# Altium PCB DI544.PcbDoc (part 2 of 7) (continued)
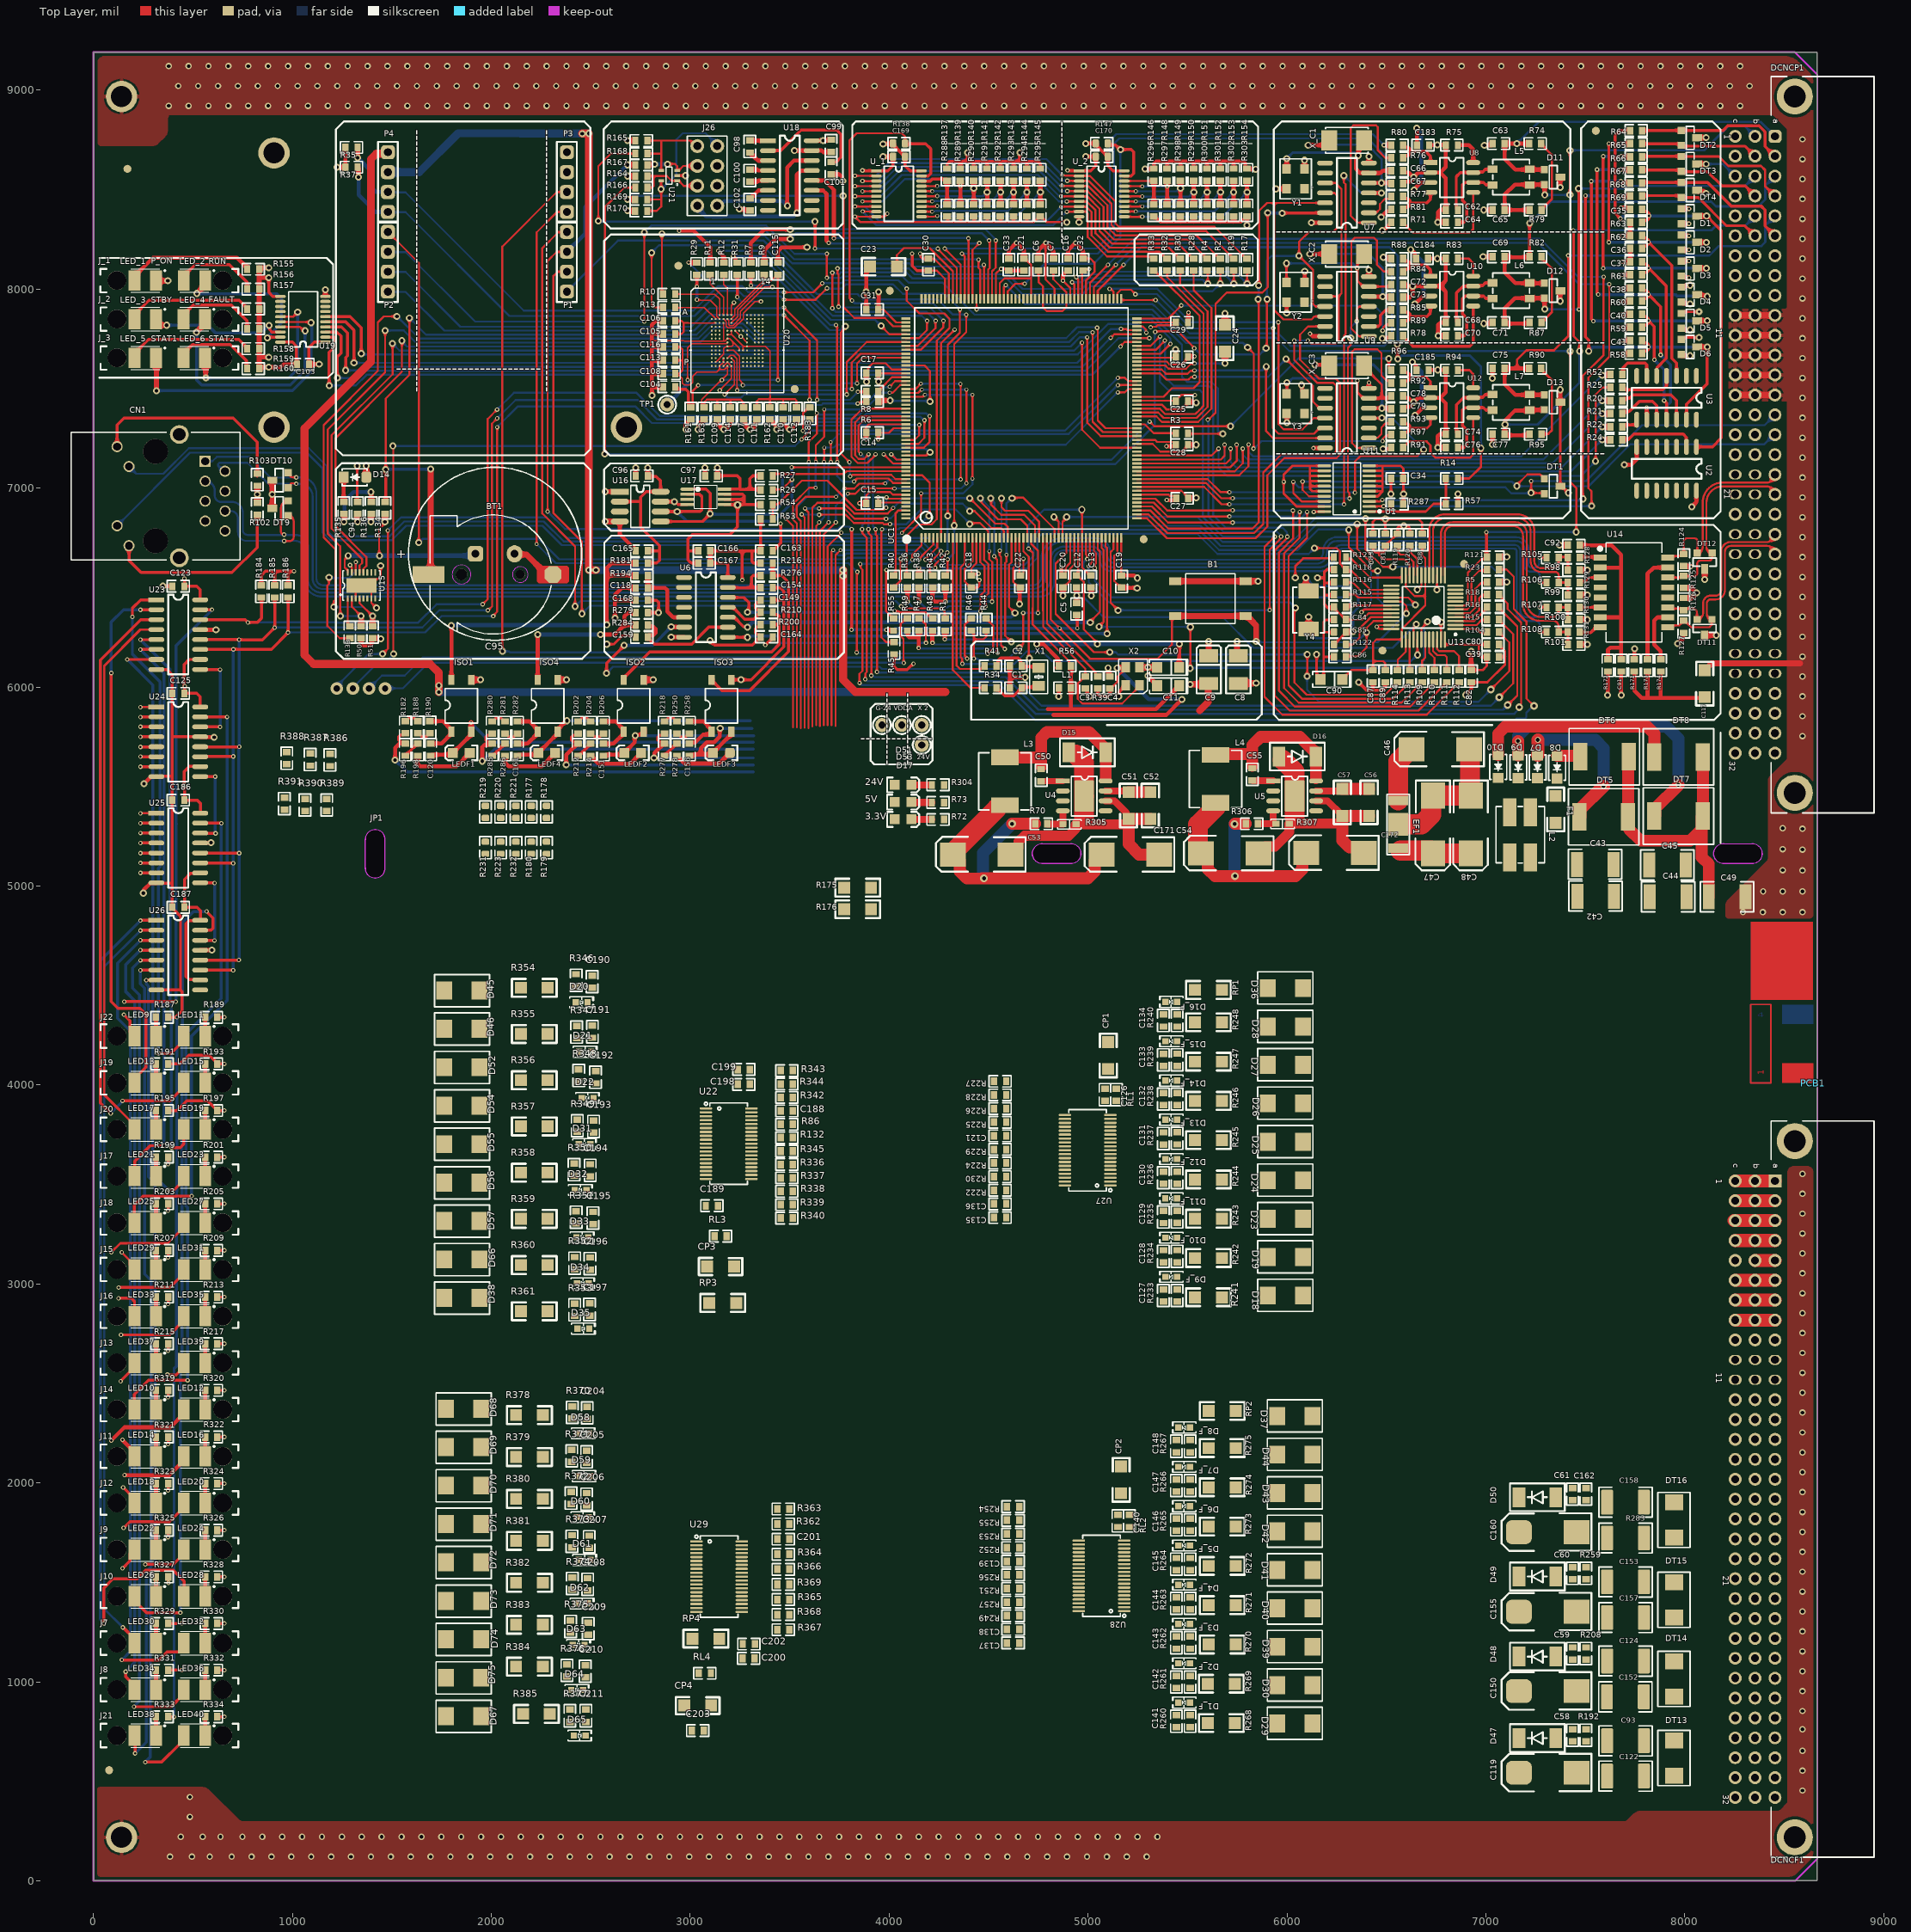
[diagram p0: Top Layer view]
## Footprints (in the part's own frame and the unit in brackets; to place one, negate y for a bottom-side part, rotate by r counter-clockwise, add the part's x,y. Pads: shape width x height; smd on the part's side, far side on the other; paste and mask are expansions set on the pad) (continued)
  rect 0.3x1.2 smd: 53(-12.689,-14.14) 54(-12.189,-14.14) 55(-11.689,-14.14) 56(-11.189,-14.14) 57(-10.689,-14.14) 58(-10.189,-14.14) 59(-9.689,-14.14) 60(-9.189,-14.14) 61(-8.689,-14.14) 62(-8.189,-14.14) 63(-7.689,-14.14) 64(-7.189,-14.14) 65(-6.689,-14.14) 66(-6.189,-14.14) 67(-5.689,-14.14) 68(-5.189,-14.14) 69(-4.689,-14.14) 70(-4.189,-14.14) 71(-3.689,-14.14) 72(-3.189,-14.14) 73(-2.689,-14.14) 74(-2.189,-14.14) 75(-1.689,-14.14) 76(-1.189,-14.14) 77(-0.689,-14.14) 78(-0.189,-14.14) 79(0.311,-14.14) 80(0.811,-14.14) 81(1.311,-14.14) 82(1.811,-14.14) 83(2.311,-14.14) 84(2.811,-14.14) 85(3.311,-14.14) 86(3.811,-14.14) 87(4.311,-14.14) 88(4.811,-14.14) 89(5.311,-14.14) 90(5.811,-14.14) 91(6.311,-14.14) 92(6.811,-14.14) 93(7.311,-14.14) 94(7.811,-14.14) 95(8.311,-14.14) 96(8.811,-14.14) 97(9.311,-14.14) 98(9.811,-14.14) 99(10.311,-14.14) 100(10.811,-14.14) 101(11.311,-14.14) 102(11.811,-14.14) 103(12.311,-14.14) 104(12.811,-14.14) 157(12.811,15.36) 158(12.311,15.36) 159(11.811,15.36) 160(11.311,15.36) 161(10.811,15.36) 162(10.311,15.36) 163(9.811,15.36) 164(9.311,15.36) 165(8.811,15.36) 166(8.311,15.36) 167(7.811,15.36) 168(7.311,15.36) 169(6.811,15.36) 170(6.311,15.36) 171(5.811,15.36) 172(5.311,15.36) 173(4.811,15.36) 174(4.311,15.36) 175(3.811,15.36) 176(3.311,15.36) 177(2.811,15.36) 178(2.311,15.36) 179(1.811,15.36) 180(1.311,15.36) 181(0.811,15.36) 182(0.311,15.36) 183(-0.189,15.36) 184(-0.689,15.36) 185(-1.189,15.36) 186(-1.689,15.36) 187(-2.189,15.36) 188(-2.689,15.36) 189(-3.189,15.36) 190(-3.689,15.36) 191(-4.189,15.36) 192(-4.689,15.36) 193(-5.189,15.36) 194(-5.689,15.36) 195(-6.189,15.36) 196(-6.689,15.36) 197(-7.189,15.36) 198(-7.689,15.36) 199(-8.189,15.36) 200(-8.689,15.36) 201(-9.189,15.36) 202(-9.689,15.36) 203(-10.189,15.36) 204(-10.689,15.36) 205(-11.189,15.36) 206(-11.689,15.36) 207(-12.189,15.36) 208(-12.689,15.36)
  silkscreen extent -15.67,-13 14.18,15.56, body extent -14.71,-14.12 14.79,15.38, height 1.4
LQFP-48_M [mm] "Thin QFP, 48-Leads, Body 7x7mm, Pitch 0.5mm, IPC Low Density"
  oval 2.1x0.3 smd: 1(0,0) 2(0,-0.5) 3(0,-1) 4(0,-1.5) 5(0,-2) 6(0,-2.5) 7(0,-3) 8(0,-3.5) 9(0,-4) 10(0,-4.5) 11(0,-5) 12(0,-5.5) 25(8.2,-5.5) 26(8.2,-5) 27(8.2,-4.5) 28(8.2,-4) 29(8.2,-3.5) 30(8.2,-3) 31(8.2,-2.5) 32(8.2,-2) 33(8.2,-1.5) 34(8.2,-1) 35(8.2,-0.5) 36(8.2,0)
  oval 0.3x2.1 smd: 13(1.35,-6.85) 14(1.85,-6.85) 15(2.35,-6.85) 16(2.85,-6.85) 17(3.35,-6.85) 18(3.85,-6.85) 19(4.35,-6.85) 20(4.85,-6.85) 21(5.35,-6.85) 22(5.85,-6.85) 23(6.35,-6.85) 24(6.85,-6.85) 37(6.85,1.35) 38(6.35,1.35) 39(5.85,1.35) 40(5.35,1.35) 41(4.85,1.35) 42(4.35,1.35) 43(3.85,1.35) 44(3.35,1.35) 45(2.85,1.35) 46(2.35,1.35) 47(1.85,1.35) 48(1.35,1.35)
  silkscreen extent -0.13,-5.4 6.75,0.82, body extent -0.41,-7.24 8.59,1.76, height 1.57
MSOP8 [mm]
  oval 1.7x0.4 smd: 1(0,0)
  rect 1.7x0.4 smd: 2(0,-0.65) 3(0,-1.3) 4(0,-1.95) 5(4.78,-1.95) 6(4.78,-1.3) 7(4.78,-0.65) 8(4.78,0)
  silkscreen extent 0.92,-2.44 3.84,0.51, body extent 0.04,-2.49 4.94,0.51, height 1.15
NFE61P [mm]
  rect 1.219x2.54 smd: 1(0,0) 3(6.1,0)
  rect 2.9x2.54 smd: 2(3.05,0)
  silkscreen extent -0.8,-1.41 6.9,1.44, body extent -0.35,-0.74 6.45,0.86, height 1.6
OSC-5X3.2 [mm]
  rect 1.2x1.1 smd mask+0.051: 1(0,0) 2(2.54,0) 3(2.54,2.3) 4(0,2.3)
  silkscreen extent -1.28,-0.85 3.82,3.15
"PCB Plastic guard" [mil]
  Keep-Out Layer lines w5: -7292.68,-17.84 -7292.68,129.8 ; -7292.68,-12.84 ccw(c-7243.56,-15.9) -7194.44,-12.84 ; -7292.68,127.16 cw(c-7243.56,130.21) -7194.44,127.16 ; -7194.25,-17.84 -7194.25,129.8 ; -3892.48,8.73 -3744.84,8.73 ; -3892.48,107.16 -3744.84,107.16 ; -3891.91,8.85 cw(c-3890.54,58.04) -3887.48,107.16 ; -3747.48,8.92 ccw(c-3744.43,58.04) -3747.48,107.16 ; -467.28,8.73 -319.65,8.73 ; -467.28,107.16 -319.65,107.16 ; -462.28,8.92 cw(c-465.34,58.04) -462.28,107.16 ; -322.28,8.92 ccw(c-319.23,58.04) -322.28,107.16
PushBotton [mil] "PushBotton"
  rect 60x40 smd: 1(0.83,-176.5) 2(0.83,-1.5) 3(355.17,-1.5) 4(355.17,-176.5)
  silkscreen extent 53,-214 303,36, body extent -20,-205 374,31, height 200
"RES 0603"#1 [mil]
  rect 32x39 smd: 1(-30,-2) 2(31,-2)
  silkscreen extent -55,-31 56,27, body extent -31,-20 33,14, height 18
"RES 0603"#2 [mil]
  rect 32x39 smd: 1(-30,-2)
  rrect20% 32x39 smd: 2(31,-2)
  silkscreen extent -55,-31 56,27, body extent -31,-20 33,14, height 18
"RES 0603"#3 [mil]
  rect 32x37.4 smd: 1(-30,-2)
  rect 32x39 smd: 2(31,-2)
  silkscreen extent -55,-31 56,27, body extent -31,-20 33,14, height 18
"RES 0603"#4 [mil]
  rrect30% 32x39 smd: 1(-30,-2) 2(31,-2)
  silkscreen extent -55,-31 56,27, body extent -31,-20 33,14, height 18
"RES 0603"#5 [mil]
  rect 32x39 smd: 1(-30,-2)
  rect 32x37.4 smd: 2(31,-2)
  silkscreen extent -55,-31 56,27, body extent -31,-20 33,14, height 18
"RES 0603"#6 [mil]
  rect 32x39 smd: 1(-30,-2)
  rect 32x35.43 smd: 2(31,-2)
  silkscreen extent -55,-31 56,27, body extent -31,-20 33,14, height 18
"RES 0603"#7 [mil]
  rect 32x35.43 smd: 1(-30,-2)
  rect 32x39 smd: 2(31,-2)
  silkscreen extent -55,-31 56,27, body extent -31,-20 33,14, height 18
"RES 0603"#8 [mil]
  rrect20% 32x39 smd: 1(-30,-2) 2(31,-2)
  silkscreen extent -55,-31 56,27, body extent -31,-20 33,14, height 18
"RES 0603"#9 [mil]
  rect 29.53x39 smd: 1(-30,-2) 2(31,-2)
  silkscreen extent -55,-31 56,27, body extent -31,-20 33,14, height 18
"RES 0603"#10 [mil]
  rrect50% 32x39 smd: 1(-30,-2) 2(31,-2)
  silkscreen extent -55,-31 56,27, body extent -31,-20 33,14, height 18
"RES 0603"#11 [mil] "Chip Inductor, Body 0.6x0.3mm, IPC High Density"
  rrect20% 32x39 smd: 1(-30,-2)
  rect 32x39 smd: 2(31,-2)
  silkscreen extent -55,-31 56,27, body extent -31,-20 33,14, height 18
"RES 0603"#12 [mil] "Chip Inductor, Body 0.6x0.3mm, IPC High Density"
  rrect30% 32x39 smd: 1(-30,-2)
  rrect20% 32x39 smd: 2(31,-2)
  silkscreen extent -55,-31 56,27, body extent -31,-20 33,14, height 18
"RES 1206" [mil] "RES 1206"
  rect 60x60 smd: 1(121,-123) 2(256,-123)
  silkscreen extent 76,-168 301,-79, body extent 126,-155 252,-93, height 17
RJ45 [mil] "RJ45"
  rect 56x56 hole 40: 1(172,-219)
  round 56 hole 40: 2(122,-319) 3(72,-219) 4(22,-319) 5(-28,-219) 6(-78,-319) 7(-128,-219) 8(-178,-319) 9(246.02,223.91) 10(146.02,164.07) 11(-152.02,223.91) 12(-252.02,164.07)
  round 94 hole 64: 13(-313.04,-89.08) 14(307.04,-89.08)
  round 125 hole 125: ""(-228,31) ""(222,31)
  silkscreen extent -323,-394 317,456, body extent -359,-383 351,455, height 565
SO4 [mm]
  rect 1.3x0.8 smd: 1(0,0) 2(0,-2.54) 3(6.604,-2.54) 4(6.604,0)
  silkscreen extent 1.1,-3.34 5.5,0.8, body extent 0.29,-3.32 6.37,0.78, height 2.18
SO8 [mil]
  rect 90x30 smd: 1(0,0)
  oval 90x30 smd: 2(0,-50) 3(0,-100) 4(0,-150) 5(205,-150) 6(205,-100) 7(205,-50) 8(205,0)
  silkscreen extent 55,-180 150,31, body extent -10,-171 228,21, height 59
SO14 [mil]
  oval 80x24 smd: 1(0.42,-0.47) 2(0.42,-50.47) 3(0.42,-100.47) 4(0.42,-150.47) 5(0.42,-200.47) 6(0.42,-250.47) 7(0.42,-300.47) 8(220.42,-300.47) 9(220.42,-250.47) 10(220.42,-200.47) 11(220.42,-150.47) 12(220.42,-100.47) 13(220.42,-50.47) 14(220.42,-0.47)
  silkscreen extent 60,-325 160,25, body extent -10,-323 232,19, height 70
SO16 [mil]
  rect 80x24 smd: 1(-0.22,0.21)
  oval 80x24 smd: 2(-0.22,-49.79) 3(-0.22,-99.79) 4(-0.22,-149.79) 5(-0.22,-199.79) 6(-0.22,-249.79) 7(-0.22,-299.79) 8(-0.22,-349.79) 9(219.78,-349.79) 10(219.78,-299.79) 11(219.78,-249.79) 12(219.78,-199.79) 13(219.78,-149.79) 14(219.78,-99.79) 15(219.78,-49.79) 16(219.78,0.21)
  silkscreen extent 60,-375 160,25, body extent -10,-371 222,22, height 57
SOIC8 [mil]
  rect 70x25 smd: 1(0,0)
  oval 70x25 smd: 2(0,-50) 3(0,-100) 4(0,-150) 5(215,-150) 6(215,-100) 7(215,-50) 8(215,0)
  silkscreen extent 48,-174 167,24, body extent -10,-173 228,20, height 59
SOIC8_TERMAL [mil]
  rect 70x25 smd: 1(-107.5,75)
  oval 70x25 smd: 2(-107.5,25) 3(-107.5,-25) 4(-107.5,-75) 5(107.5,-75) 6(107.5,-25) 7(107.5,25) 8(107.5,75)
  rrect10% 98.43x157.48 smd paste-35.43 mask-35.43: 9(0,0)
  silkscreen extent -64,-101 65,99, body extent -117,-98 120,95, height 59
SON_131TFY_NXP [mil]
  rect 32x10 smd paste+0 mask+0: 1(-65,68.91) 2(-65,49.23) 3(-65,29.54) 4(-65,9.85) 5(-65,-9.85) 6(-65,-29.54) 7(-65,-49.22) 8(-65,-68.91) 9(65,-68.91) 10(65,-49.22) 12(65,-9.85) 13(65,9.85) 14(65,29.54) 15(65,49.23)
  rrect50% 32x10 smd paste+0 mask+0: 11(65,-29.54) 16(65,68.91)
  rect 75x152 smd paste+0 mask+0: 17(0,0)
  silkscreen extent -74,-94 74,109, body extent -69,-89 69,89, height 59
SOT23 [mil]
  rect 36x36 smd: 1(0,0) 2(0,-75)
  rect 50x36 smd: 3(80,-37.5)
  silkscreen extent 25,-96 65,20, body extent -9,-99 89,19, height 41
SOT-353 [mm]
  rect 0.7x0.35 smd mask+0.051: 1(0,0) 2(0,-0.65) 3(0,-1.3) 4(2.05,-1.3) 5(2.05,0)
  silkscreen extent -0.11,-1.75 1.41,0.62, body extent -0.18,-1.75 2.22,0.45, height 1.1
SSOP38 [mm]
  oval 1.6x0.3 smd mask+0.075: 1(-2.9,4.5) 2(-2.9,4) 3(-2.9,3.5) 4(-2.9,3) 5(-2.9,2.5) 6(-2.9,2) 7(-2.9,1.5) 8(-2.9,1) 9(-2.9,0.5) 10(-2.9,0) 11(-2.9,-0.5) 12(-2.9,-1) 13(-2.9,-1.5) 14(-2.9,-2) 15(-2.9,-2.5) 16(-2.9,-3) 17(-2.9,-3.5) 18(-2.9,-4) 19(-2.9,-4.5) 20(2.9,-4.5) 21(2.9,-4) 22(2.9,-3.5) 23(2.9,-3) 24(2.9,-2.5) 25(2.9,-2) 26(2.9,-1.5) 27(2.9,-1) 28(2.9,-0.5) 29(2.9,0) 30(2.9,0.5) 31(2.9,1) 32(2.9,1.5) 33(2.9,2) 34(2.9,2.5) 35(2.9,3) 36(2.9,3.5) 37(2.9,4) 38(2.9,4.5)
  silkscreen extent -3.1,-5.2 2.4,5.3, body extent -3.21,-4.85 3.21,4.85, height 1.2
"SUPER CAP TH D20.00mm S5.00mm H6.00mm" [mm]
  rrect50% 2x2 hole 1: 1(2.5,0)
  oval 2x2.2 hole 1: 2(-2.5,0)
  silkscreen extent -11.05,-11.05 11.05,11.05, body extent -10.57,-10.49 10.22,10.3, height 7.5
"TANTAL 1206" [mm] "TANTAL1206"
  rect 1.3x1.4 smd: 1(-0.073,0.008) 2(2.737,0.008)
  silkscreen extent -1.16,-0.99 3.74,1.01, body extent -0.38,-0.84 3.05,0.86, height 1.7
"TEST Point RED"#1 [mm] "TEST Point RED"
  oval 1.7x1.8 hole 0.9: 1(3.81,-3.175)
  silkscreen extent 2.67,-4.32 4.95,-2.04
"TEST Point RED"#2 [mm] "TEST Point RED"
  round 1.8 hole 0.9: 1(3.81,-3.175)
  silkscreen extent 2.67,-4.32 4.95,-2.04
"TEST Point Yellow"#1 [mm] "TEST Point Yellow"
  round 1.8 hole 0.9: 1(3.81,-3.175)
  silkscreen extent 2.67,-4.32 4.95,-2.04
"TEST Point Yellow"#2 [mm] "TEST Point Yellow"
  oval 1.7x1.8 hole 0.9: 1(3.81,-3.175)
  silkscreen extent 2.67,-4.32 4.95,-2.03, body extent 2.54,-4.44 5.08,-1.9, height 4.57
TSSOP20 [mm]
  rect 1.35x0.4 smd: 1(0,0)
  oval 1.35x0.4 smd: 2(0,-0.65) 3(0,-1.3) 4(0,-1.95) 5(0,-2.6) 6(0,-3.25) 7(0,-3.9) 8(0,-4.55) 9(0,-5.2) 10(0,-5.85) 11(5.75,-5.85) 12(5.75,-5.2) 13(5.75,-4.55) 14(5.75,-3.9) 15(5.75,-3.25) 16(5.75,-2.6) 17(5.75,-1.95) 18(5.75,-1.3) 19(5.75,-0.65) 20(5.75,0)
  silkscreen extent 1,-6.45 4.7,0.6, body extent -0.38,-6.2 6.02,0.3, height 1.2
"Xtal 32.78" [mil] "Xtal 32.78"
  rect 51x63 smd: 1(-46.28,1) 2(44.28,1)
  silkscreen extent -86,-44 84,46, body extent -58,-27 68,32, height 35
"YAGEO RES 0603_1608" [mm] "Chip Resistor, 2-Leads, Body 1.60x0.80mm"
  rect 0.9x0.8 smd: 1(-0.85,0) 2(0.85,0)
  silkscreen extent -1.5,-0.6 1.5,0.6, body extent -0.8,-0.4 0.8,0.4, height 0.45

## Part data
24V G-24 TP1: library part 10020359, "PCB Test Piont, Yellow", Manufacturer="Keystone Electronics", PartNumber=5009, Notes=NP, SAPCode=10020359, Type=DIP
B1: library part 10018008, "Pushbutton 50mA F065 4.3mm Gull Wing", Manufcturer=E-Switch, PartNumber=LL3301NF065QG, SAPCode=10018008, Type=SMD
BT1: library part 10018009, "SMT COIN CELL HOLDER CR1220", Manufacturer=Harwin, PartNumber=S8411-45R, SAPCode=10018009, Type=SMD
C1 C2: library part 10008959, "Capacitor, Ceramic, 1pF,50V", Manufacturer="Murata Manufacturing Company, Ltd.", Package=0603, PartNumber=GRM1885C1H1R0CZ01D, SAPCode=10008959, Type=SMD
C3 C4: library part 10018011, "Ceramic Capacitors, 0603 5.6pF 250V", Manufacturer="Murata Manufacturing Company, Ltd.", Package=0603, PartNumber=GQM1875C2E5R6CB12D, SAPCode=10018011, Type=SMD
C5 C7 C12 C13 C14 C15 C16 C17 C18 C19 C20 C21 C22 C25 C26 C27 C28 C29 C30 C31 C32 C33 C34 C35 C36 C37 C38 C39 C40 C41 C58 C59 C60 C61 C80 C81 C82 C83 C84 C87 C88 C89 C94 C96 C97 C98 C99 C100 C101 C102 C106 C107 C108 C109 C111 C112 C114 C115 C116 C120 C121 C123 C125 C127 C128 C129 C130 C131 C132 C133 C134 C136 C138 C139 C141 C142 C143 C144 C145 C146 C147 C148 C151 C156 C161 C163 C164 C165 C166 C167 C168 C169 C170 C186 C187 C188 C190 C191 C192 C193 C194 C195 C196 C197 C199 C201 C202 C204 C205 C206 C207 C208 C209 C210 C211: library part 10008932, "Capacitor, Ceramic, 100nF, 50V", Manufacturer="Murata Manufacturing Company, Ltd.", Package=0603, PartNumber=GRM188R71H104KA93D, SAPCode=10008932, Type=SMD
C6: library part 10024198, "Capacitor, Ceramic, SMD 0603 50Vdc 2.2uF 10%", Manufacturer="Murata Manufacturing Company, Ltd.", Package=0603, PartNumber=GRT188R61H225KE13D, SAPCode=10024198, Type=SMD
C8 C9: library part 10010245, "Capacitor, Tantalum, 4.7uF, 35V", Manufacturer="AVX Corporation", Package=1210(3528-21), PartNumber=TPSB475K035R0700, SAPCode=10010245, Type=SMD
C10 C11: library part 10017062, "Capacitor, SMD, 1uF,1206,TANTAL", Manufacturer="KEMET Corporation", Package=1206, PartNumber=T491A104K035AT, SAPCode=10017062, Type=SMD
C23 C24: library part 10008963, "Capacitor, Ceramic, 2.2uF, 25V", Manufacturer="TDK U.S.A. Corporation", Package=1206, PartNumber=C3216X7R1E225K, SAPCode=10008963, Type=SMD
C42 C43 C44 C45 C49 C93 C122 C124 C152 C153 C157 C158 C162: library part 10008971, "Capacitor, Ceramic, 4.7nF, 2KV", Manufacturer="Johanson Dielectrics", Package=1812, PartNumber=202S43W472KV4E, SAPCode=10008971, Type=SMD
C46 C47: library part 10008985, "Capacitor, Tantalum, 15uF, 50V", Manufacturer="KEMET Corporation", Package=2917(7343), PartNumber=T495X156K050ATE300, BOM Ignore 1=Populated, BOM Ignore 2=Populated, SAPCode=10008985, Type=SMD
C48: library part 10008984, "Capacitor, Tantalum, 10uF, 50V", Manufacturer="KEMET Corporation", Package=2917(7343), PartNumber=T491X106M050ZT, BOM Ignore 1=Populated, BOM Ignore 2=Populated, SAPCode=10008984, Type=SMD
C50 C55 C91 C92 C118 C149 C154 C159: library part 10008934, "Capacitor, Ceramic, 10nF ,50V", Manufacturer="Murata Manufacturing Company, Ltd.", Package=0603, PartNumber=GRM188R71H103KA01D, SAPCode=10008934, Type=SMD
C51 C52 C56 C57: library part 10008972, "Capacitor, Ceramic, 4.7uF, 25V", Manufacturer="TDK U.S.A. Corporation", Package=1206, PartNumber=C3216X5R1E475M, SAPCode=10008972, Type=SMD
C53 C54 C171 C172: library part 10008981, "Capacitor, Tantalum, 100uF, 25V", Manufacturer="AVX Corporation", Package=2917(7343), PartNumber=TAJE107M025RNJ, SAPCode=10008981, Type=SMD
C62 C63 C64 C65 C66 C67 C68 C69 C70 C71 C72 C73 C74 C75 C76 C77 C78 C79 C85 C86: library part 10008966, "Capacitor, Ceramic, 22pF,50V", Manufacturer="Murata Manufacturing Company, Ltd.", Package=0603, PartNumber=GRM1885C1H220JA01D, SAPCode=10008966, Type=SMD
C90: library part 10010691, "Capacitor,TANT,10uF,16V,1206", Manufacturer=VISHAY, Package=1206, PartNumber=293D106X5016A2WE3, SAPCode=10010691, Type=SMD
C95: library part 10036803, "KVR Supercapacitors-Coin cells", PartNumber=KVR-5R0C155-R, SAPCode=10036803, Type=THD
C103 C183 C184 C185: library part 10008931, "Capacitor, Ceramic, 100nF , 16V", Manufacturer="Murata Manufacturing Company, Ltd.", Package=603, PartNumber=GRM188R71C104KA01D, SAPCode=10008931, Type=SMD
C104 C126 C140 C189 C203: library part 10008958, "Capacitor, Ceramic, 1nF,50V", Manufacturer="Murata Manufacturing Company, Ltd.", Package=0603, PartNumber=GRM188R71H102KA01D, SAPCode=10008958, Type=SMD
C105 C135 C137 C198 C200: library part 10017066, "Capacitor, Ceramic 1uF,0603,25V", Manufacturer="Venkel Ltd", Package=0603, PartNumber=TMK107BJ105KA-T, SAPCode=10017066, Type=SMD
C110 C113: library part 10013225, "Capacitor, Ceramic, 4.7uF, 50V", Manufacturer="Murata Manufacturing Company, Ltd.", Package=0603, PartNumber=GRM188R6YA475KE15, SAPCode=10013225, Type=SMD
C117: library part 10010893, "Capacitor,MLCC,1000pF,2KV", Manufacturer="AVX Corporation", Package=1206, PartNumber=1206GC102KAT1A, SAPCode=10010893, Type=SMD
C119 C150 C155 C160: library part 10019521, "Capacitor, Tantalum, 22uF, 35V", Manufacturer=KEMET, Package=7343, PartNumber=T491X226M035AT, SAPCode=10019521, Type=SMD
CN1: library part 10018015, "Modular SINGLE PORT Ethernet Con.", Manufacturer=Pulse, PartNumber=J0011D21BNL, SAPCode=10018015
CP1 CP2 CP3 CP4: library part 10008973, "Capacitor, Ceramic, 4.7uF, 50V", Manufacturer="KEMET Corporation", Package=1206, PartNumber=C1206C475K5PACTU, SAPCode=10008973, Type=SMD
D1 D2 D3 D4 D5 D6: library part 10009013, "Diode, SCHOTTKY, 40V, 0.3A, DUAL", Manufacturer=STMicroelectronics, Package=SOT23, PartNumber=BAT54SFILM, SAPCode=10009013, Type=SMD
D1_F D2_F D3_F D4_F D5_F D6_F D7_F D8_F D9_F D10_F D11_F D12_F D13_F D14_F D15_F D16_F D20 D21 D22 D31 D32 D33 D34 D35 D58 D59 D60 D61 D62 D63 D64 D65: library part 10027338, "LED 0603 Green,Standard LEDs - SMD Green Clear 571nm 0603 20mA", Manufacturer=Lite-ON, Package=0603, PartNumber=LTST-C191KGKT, Revision="July-2002: Re-released for DXP Platform.", SAPCode=10027338, Type=SMD
D7 D8 D9 D10 D14: library part 10009015, "DIODE, SCHOTTKY, 40V, 1.1A", Manufacturer=VISHAY, Package=DO219AB(SMF), PartNumber=SL04-GS08, SAPCode=10009015, Type=SMD
  D14: BOM Ignore 1=Populated, BOM Ignore 2=Populated
D11 D12 D13 DT1 DT2 DT3 DT4: library part 10009023, "Diode, TVS, BUS Protector, Dual", Manufacturer="ON semi", Package=SOT23, PartNumber=NUP2105LT1G, SAPCode=10009023, Type=SMD
D15 D16: library part 10009017, "Diode, SCHOTTKY, 60V, 3A", Manufacturer="DIODES Incorporated", Package=DO214AC, PartNumber=B360A-13-F, SAPCode=10009017, Type=SMD
D17 D53: library part 10009109, "LED MINI TOPLED 570NM Green", Manufacturer=Osram, Package=0805, PartNumber="LG M67K-H1J2-24-Z", BOM Ignore 1=Populated, BOM Ignore 2=Populated, SAPCode=10009109, Type=SMD
D18 D19 D23 D24 D25 D26 D27 D28 D29 D30 D36 D37 D38 D39 D40 D41 D42 D43 D44 D45 D46 D52 D54 D55 D56 D57 D66 D67 D68 D69 D70 D71 D72 D73 D74 D75 DT13 DT14 DT15 DT16: library part 10009021, "Diode, TVS, 36V, 600W, BI-DIR", Manufacturer="Bourns Inc", Package=DO214AA, PartNumber=SMBJ36CA, SAPCode=10009021, Type=SMD
D47 D48 D49 D50: library part 10009009, "Diode, 1000V, 1.5A", Manufacturer=VISHAY, Package=DO214AC, PartNumber=BYG10M-E3, SAPCode=10009009, Type=SMD
D51 LEDF1 LEDF2 LEDF3 LEDF4: library part 10009110, "LED 606NM Orange", Manufacturer=Osram, Package=0805, PartNumber="LO M676-Q2S1-24-Z", SAPCode=10009110, Type=SMD
DCNCF1 DCNCP1: library part 10011744, "CONNECTOR, DIN, TYPE C, MALE,RA,TH,96PIN", Manufacturer=Erni, Package=TH, PartNumber=533202, SAPCode=10011744, Type=TH
  DCNCF1: BOM Ignore 1=Populated, BOM Ignore 2=Populated
DT5 DT6 DT7 DT8: library part 10009020, "Diode, TVS, 36V, 1500W, BI-DIR", Manufacturer="Bourns Inc", Package=DO214AB(SMC), PartNumber=SMCJ36CA, SAPCode=10009020, Type=SMD
DT9 DT10 DT11 DT12: "Diode, TVS, BUS Protector, Dual", Manufacturer="ON semi", Package=SOT23, PartNumber=NUP2105LT1G, SAPCode=10009023, Type=SMD
EF1: library part 10009027, "EMI-Filter, LC, HF, 1000pF", Manufacturer="Murata Manufacturing Company, Ltd.", Package=SMD, PartNumber=NFE61PT102E1H9, BOM Ignore 1=Populated, BOM Ignore 2=Populated, SAPCode=10009027, Type=SMD
F1: library part 10010477, "FUSE,FAST,2A,63VDC", Manufacturer=BUSSMAN, Package=1206, PartNumber=TR/3216FF2-R, SAPCode=10010477, Type=SMD
ISO1 ISO2 ISO3 ISO4: library part 10009117, "Optocoupler, Phototransistor", Manufacturer=AVAGO, Package=SO4, PartNumber=HCPL-181-00CE, SAPCode=10009117, Type=SMD
J7 J8 J9 J10 J11 J12 J13 J14 J15 J16 J17 J18 J19 J20 J21 J22 J_1 J_2 J_3: library part 10012028, "mentor 2-fold Light Guides, horizontal", Manufacturer="MENTOR GmbH & Co.", PartNumber=1270.1001, SAPCode=10012028, Type=TH, Vendor="Mentor GMBH", Vendor PN=1270.1001
J26: library part "Header 2x4/F/TH/2.54", "Header, 2x4, Female, Straight, .100\"", Manufacturer=-, Package=TH, PartNumber=-, SAPCode=10009033, Type=TH
JP1: library part "pcb plastic guard", "pcb plastic guard", Note=NP
L1: library part 10013269, "Ferrite Bead BLM18, 600ohm±25%, 200mA", Package=SMD, PartNumber=BLM18BD601SN1, SAPCode=10013269, Type=SMD
L2: library part 10010476, "Choke,COMMON-MODE,600Ohm,3A", Manufacturer="TDK U.S.A. Corporation", Package=SMD, PartNumber=ACM7060-301-2PL-TL01, SAPCode=10010476, Type=SMD
L3 L4: library part 10009101, "Inductor, 22uH, 2.9A", Manufacturer=VISHAY, Package=SMD, PartNumber=IHLP2525CZER220M11, SAPCode=10009101, Type=SMD
L5 L6 L7: library part 10009619, "CHOKE, COMMON-MODE, 600 OHM", Manufacturer="TDK U.S.A. Corporation", Package=SMD, PartNumber=ACM4520-142-2P-T000, SAPCode=10009619, Type=SMD
LED9 LED10 LED11 LED12 LED13 LED14 LED15 LED16 LED17 LED18 LED19 LED20 LED21 LED22 LED23 LED24 LED25 LED26 LED27 LED28 LED29 LED30 LED31 LED32 LED33 LED34 LED35 LED36 LED37 LED38 LED39 LED40 LED_1 LED_2 LED_3 LED_4 LED_5 LED_6: library part 10012933, "LED, SMD, Package PLCC-2,Green", Manufacturer="Osram Opto Semiconductors", PartNumber="LG T670", SAPCode=10012933, Type=SMD, Vendor=OSRAM, Vendor PN="LG T670"
P1 P2 P3 P4: library part 10016151, "Header 1x4, Male, 2.54mm", Manufacturer="Wurth Electronics Inc", Package=THD, PartNumber=61300411121, SAPCode=10016151, Type=THD
PCB1: library part LayerN, "PCB LAYERS"
R1 R3 R6 R7 R8 R9 R10 R11 R12 R13 R14 R20 R21 R22 R24 R25 R29 R31 R34 R36 R38 R39 R40 R41 R42 R43 R44 R46 R47 R48 R49 R52 R56 R71 R75 R76 R77 R78 R79 R80 R81 R83 R84 R85 R87 R88 R89 R91 R92 R93 R94 R95 R96 R97 R105 R106 R107 R108 R122 R128 R129 R130 R131 R133 R134 R162 R163 R171 R172 R177 R178 R179 R180 R183 R192 R208 R219 R220 R221 R259 R283 R287 R288 R289 R290 R291 R292 R293 R294 R295 R296 R297 R298 R299 R300 R301 R302 R303 R386 R387 R388 R389 R390 R391 RL1 RL2 RL3 RL4: library part 10009127, "Resistor, 0R, package 603", Manufacturer=Panasonic, Package=0603, PartNumber=-, SAPCode=10009127, Type=SMD
  R134: Notes=NP
R2 R4 R5 R15 R16 R17 R18 R19 R23 R28 R30 R32 R33 R104 R109 R110 R111 R112 R113 R114: library part 10009176, "Resistor, 33R", Manufacturer=Panasonic, Package=0603, PartNumber=-, SAPCode=10009176, Type=SMD
R26 R35 R50 R57 R137 R139 R140 R141 R142 R143 R144 R145 R146 R148 R149 R150 R151 R152 R153 R154: library part 10009179, "Resistor,4.7K, Package 0603,1%, Type SMD", Manufacturer=Panasonic, Package="RES 0603", PartNumber=-, SAPCode=10009179, Type=SMD
R27 R37 R51 R86 R132 R164 R165 R170 R222 R223 R224 R229 R230 R231 R232 R249 R251 R256 R257 R304 R336 R342 R343 R344 R345 R362 R363 R364 R369: library part 10009179, "Resistor,4.7K, Package 0603,1%, Type SMD", Manufacturer=Panasonic, Package=0603, PartNumber=-, SAPCode=10009179, Type=SMD
R45 R53 R54 R55 R70 R138 R147 R161 R181 R200 R216 R279 R306: library part 10009136, "Resistor, 10K, 1%", Manufacturer=Panasonic, Package=0603, PartNumber=-, SAPCode=10009136, Type=SMD
  R54: Notes=NP
R58 R59 R60 R61 R62 R63: library part 10016806, "Resistor SMD 3.3K OHM 1% 1/10W 0603", Manufacturer=Panasonic, Package=0603, PartNumber=ERJ-3EKF3301V, SAPCode=10016806, Type=SMD
R64 R65 R66 R67 R68 R69 R135 R136: library part 10009135, "Resistor, 100R, 1%", Manufacturer=Panasonic, Package=0603, PartNumber=-, SAPCode=10009135, Type=SMD
R72 R73 R184 R185 R186 R194 R210 R225 R226 R227 R228 R252 R253 R254 R255 R276 R284 R337 R338 R339 R340 R365 R366 R367 R368: library part 10009149, "Resistor, 1K, 1%", Manufacturer=Panasonic, Package=0603, PartNumber=-, SAPCode=10009149, Type=SMD
R74 R82 R90: library part 10016220, "Resistor SMD 120 OHM 1% 1/10W 0603", Manufacturer=VISHAY, Package=0603, PartNumber=CRCW0603120RFKEB, SAPCode=10016220, Type=SMD
R98 R99 R100 R101 R124 R125 R126 R127: library part 10015087, "Resistor 49.9Ohm 1% 0.1W 100ppm/C, 0603", Manufacturer="Yageo Corporation", Package=0603, PartNumber=RC0603FR-0749R9L, SAPCode=10015087, Type=SMD
R102 R103: library part 10016037, "Resistor SMD 240 OHM 1% 1/10W 0603", Manufacturer="Yageo Corporation", Package=0603, PartNumber=RC0603FR-07240RL, SAPCode=10016037, Type=SMD
R115 R116 R118 R119 R120: library part 10009152, "Resistor, 2.2K", Manufacturer=Panasonic, Package=0603, PartNumber=-, SAPCode=10009152, Type=SMD
R117 R121 R182 R188 R190 R196 R198 R202 R204 R206 R212 R214 R218 R250 R258 R277 R278 R280 R281 R282 R285 R286: library part 10009132, "Resistor,1.5K, Package 0603,1%, Type SMD", Manufacturer=Panasonic, Package=0603, PartNumber=-, SAPCode=10009132, Type=SMD
R123: library part 10015952, "Resistor SMD 4.87K OHM 1% 1/10W 0603", Manufacturer="Yageo Corporation", Package=0603, PartNumber=RC0603FR-074K87L, SAPCode=10015952, Type=SMD
R155 R156 R157 R158 R159 R160 R187 R189 R191 R193 R195 R197 R199 R201 R203 R205 R207 R209 R211 R213 R215 R217 R319 R320 R321 R322 R323 R324 R325 R326 R327 R328 R329 R330 R331 R332 R333 R334: library part 10009197, "Resistor, 680R", Manufacturer=Panasonic, Package=0603, PartNumber=-, SAPCode=10009197, Type=SMD
R166 R167 R168 R169: library part 10009161, "Resistor, 22R", Manufacturer=Panasonic, Package=0603, PartNumber=-, SAPCode=10009161, Type=SMD
R173 R174: library part 10017029, "Resistor,68R,0603,SMD", Manufacturer=RC0603FR-0768RL, Package=0603, PartNumber="Yageo Corporation", SAPCode=10017029, Type=SMD
R175 R176: library part 10009128, "Resistor, 0R, package 1206", Manufacturer=Panasonic, Package=1206, PartNumber=-, SAPCode=10009128, Type=SMD
R233 R234 R235 R236 R237 R238 R239 R240 R260 R261 R262 R263 R264 R265 R266 R267 R346 R347 R348 R349 R350 R351 R352 R353 R370 R371 R372 R373 R374 R375 R376 R377: library part 10009148, "Resistor, 16K, 1%", Manufacturer=Panasonic, Package=0603, PartNumber=-, SAPCode=10009148, Type=SMD
R241 R242 R243 R244 R245 R246 R247 R248 R268 R269 R270 R271 R272 R273 R274 R275 R354 R355 R356 R357 R358 R359 R360 R361 R378 R379 R380 R381 R382 R383 R384 R385 RP1 RP2 RP3 RP4: library part 10029518, "Anti-Surge Thick Film Chip Resistor, 1206, 0.66W", Manufacturer=Panasonic, PartNumber=ERJP08D1001V, SAPCode=10029518, Type=SMD
R305: library part RC0603FR-075K9L, "RES 5.9K OHM 1% 1/10W 0603", Device Package="0603 (1608 Metric)", Manufacturer=Yageo, Operating Temperature="-55°C ~ 155°C", Power (Watts)="0.1W, 1/10W", Supplier Device Package=603, Supplier Part Number 1=311-5.90KHRCT-ND, Temperature Coefficient=±100ppm/°C, Tolerance=±1%, ComponentLink1Description=Datasheet, ComponentLink1URL=https://www.yageo.com/upload/media/product/productsearch/datasheet/rchip/PYu-RC_Group_51_RoHS_L_10.pdf, ComponentLink2Description="DigiKey Link", ComponentLink2URL=https://www.digikey.com/en/products/detail/yageo/RC0603FR-075K9L/727280, Composition="Thick Film", Features="Moisture Resistant", Height - Seated (Max)="0.022 (0.55mm)\"", LastUpdated="25/07/2024 09:19:27 ق.ظ", Lifecycle Status=Active, Minimum Order=1, Number of Terminations=2, Package / Case="0603 (1608 Metric)", Packaging=CutTape, Part Number=RC0603FR-075K9L, Part Status=Active, PartId=12481, Price=0/01, Resistance="5.9 kOhms", SAPCode=10020200, Series=RC_L, Size / Dimension="0.063 L x 0.031\" W (1.60mm x 0.80mm)\"", Supplier 1=DigiKey
R307: library part RC0603FR-073K24L, "RES 3.24K OHM 1% 1/10W 0603", Device Package="0603 (1608 Metric)", Manufacturer=Yageo, Operating Temperature="-55°C ~ 155°C", Power (Watts)="0.1W, 1/10W", Supplier Device Package=603, Supplier Part Number 1=311-3.24KHRCT-ND, Temperature Coefficient=±100ppm/°C, Tolerance=±1%, ComponentLink1Description=Datasheet, ComponentLink1URL=https://www.yageo.com/upload/media/product/productsearch/datasheet/rchip/PYu-RC_Group_51_RoHS_L_10.pdf, ComponentLink2Description="DigiKey Link", ComponentLink2URL=https://www.digikey.com/en/products/detail/yageo/RC0603FR-073K24L/727125, Composition="Thick Film", Features="Moisture Resistant", Height - Seated (Max)="0.022 (0.55mm)\"", LastUpdated="25/07/2024 09:19:27 ق.ظ", Lifecycle Status=Active, Minimum Order=1, Number of Terminations=2, Package / Case="0603 (1608 Metric)", Packaging=CutTape, Part Number=RC0603FR-073K24L, Part Status=Active, PartId=12479, Price=0/01, Resistance="3.24 kOhms", SAPCode=10020202, Series=RC_L, Size / Dimension="0.063 L x 0.031\" W (1.60mm x 0.80mm)\"", Supplier 1=DigiKey
U1: library part 74245, "Octal Bus Transceiver with 3-State Outputs", Manufacturer=TI, Package=TSSOP-20, PartNumber=SN74LVC245A, SAPCode=10009068, Type=SMD
U2 U3: library part 10009071, "IC, LOGIC, HEX SCHMITT-TRIG, INV", Manufacturer="Texas Instruments Inc. (TI)", Package=SOIC14, PartNumber=SN74LV14ADR, SAPCode=10009071, Type=SMD
U4 U5: library part 10020199, "TPS543x 3-A, Wide Input Range, Step-Down Converter / Vin: 5.5 V to 36 V / Wide Output Voltage Range: Adjustable Down to / 1.22 V with 1.5% Initial Accuracy"
U6: library part 10009069, "IC, LOGIC, CMOS, HEX SCHMITT TRIGGER", Manufacturer="Texas Instruments Inc. (TI)", Package=SOIC14, PartNumber=CD40106BM96, SAPCode=10009069, Type=SMD
U7 U9 U11: library part 10016693, "IC, CAN FD Int. Cntrler w/SPI, SOIC-14", Manufacturer=Microchip, PartNumber=MCP2517FD-H/SL, SAPCode=10016693
U8 U10 U12: library part 10009046, "IC, CAN Transciever, 3.3V", Manufacturer="Texas Instruments Inc. (TI)", Package=SOIC8, PartNumber=SN65HVD233D, SAPCode=10009046, Type=SMD
U13: library part 10010111_1, "IC, Ethernet Transceiver,92mA,3V to 3.6V", Manufacturer="Texas Instruments Inc. (TI)", PartNumber=DP83848CVV, SAPCode=10010111, Type=SMD
U14: library part 10035889, "Signal Transformers 100BaseTX SMD NonPoE 350uH .65Ω 1-Port", Manufacturer="Pulse Electronics", Package="SMD-16 Gull Wing", PartNumber=H1102NL, SAPCode=10035889, Type=SMD
U15: library part 10036578, "RTC IC, PCF2131", Manufacturer="NXP USA Inc.", Package="16-HLSON (4.5x3.5)", PartNumber=PCF2131TFY, SAPCode=10036578, Type=SMD
U16: library part 10009057, "IC, EEPROM, 64KBIT, 400KHz", Manufacturer="ON Semiconductor", Package=SOIC8, PartNumber=CAT24C64WI-GT3, SAPCode=10009057, Type=SMD
U17: library part 10009094, "IC, TEMP Sensor, I2C Serial, 3.3V", Manufacturer="Microchip Technology Inc.", Package=MSOP8, PartNumber=TCN75-3.3MUA, SAPCode=10009094, Type=SMD
U18: library part 10009095, "IC, TX/RX RS-232, Dual, 3.3V", Manufacturer="analog device inc", Package=SOIC16, PartNumber=ADM3202ARNZ, SAPCode=10009095, Type=SMD
U19: library part 10009072, "IC, LOGIC, OCT D-LATCH, TRI-ST", Manufacturer="Texas Instruments Inc. (TI)", Package=TSSOP20, PartNumber=SN74LV573APWR, SAPCode=10009072, Type=SMD
U20: library part 10038475, Manufactoer=Kingston, Package=SMD, Pakage=SMD, PartNumber=EMMC04G-MK27-C01C, SAPCode=10038475, Type=eMMC
U21: library part 10018018, "Dual Transil array for ESD protection", Manufacturer=STMicroelectronics, Package=SOT323-5L, PartNumber=ESDALC6V1W5, SAPCode=10018018, Type=SMD
U22 U27 U28 U29: library part 10034526, "8 Channel Isolated Digital Input IC", Manufacturer="Texas Instruments Inc. (TI)", Package=SSOP38, PartNumber=ISO1228DFBR, SAPCode=10034526, Type=SMD
U23 U24 U25 U26: library part 10029098, "IC,8-bit D-latch Serial-in Parallel-out  Shift Registers SOIC16", Manufacturer="Texas Instruments", Package=SOIC16, PartNumber=SN74HC595D, SAPCode=10029098, Type=SMD
U_1 U_2: library part 10009068, "IC, LOGIC, BUS transceiver, 8BIT", Manufacturer="Texas Instruments Inc. (TI)", Package=TSSOP20, PartNumber=SN74LV245APWR, SAPCode=10009068, Type=SMD
UC1: library part 10018020, "ARM Microcontrollers - MCU 16/32B", Manufacturer=STMicroelectronics, PartNumber=STM32F769BIT6, SAPCode=10018020, Type=SMD
VDDA "X 2": library part 10020355, "PCB Test Piont, Red", Manufacturer="Keystone Electronics", PartNumber=5005, Notes=NP, SAPCode=10020355, Type=DIP
X1: library part 10015460, "CRYSTAL 32.7680KHZ 7PF SMD", Manufacturer="ABRACON Corporation", PartNumber=ABS07-32.768KHZ-7-T, SAPCode=10015460, Type=SMD
X2: library part 10018022, "Crystals 20MHz 18pF -20C +70C", Manufacturer="ABRACON Corporation", PartNumber=-, SAPCode=10018022, Type=SMD
X_C1 X_C2 X_C3: library part 10018023, "Crystals 20MHz 18pF -20C +70C", Manufacturer=Abracon, PartNumber=ABM3-20.000MHZ-B4Y-T, SAPCode=10018023